# Altium PCB 3D-CPU-board-multi.PcbDoc (part 3 of 3)
Units mm, origin at the board's own origin, x right, y up, seen from the top; angles counter-clockwise.
Board outline 100 x 66.22 mm, 6 copper layers (L1, Power, L2, L3, CommonGND, L4), stack 2.134 mm thick; 307 components, 215 nets, 1001 pads, 419 vias.
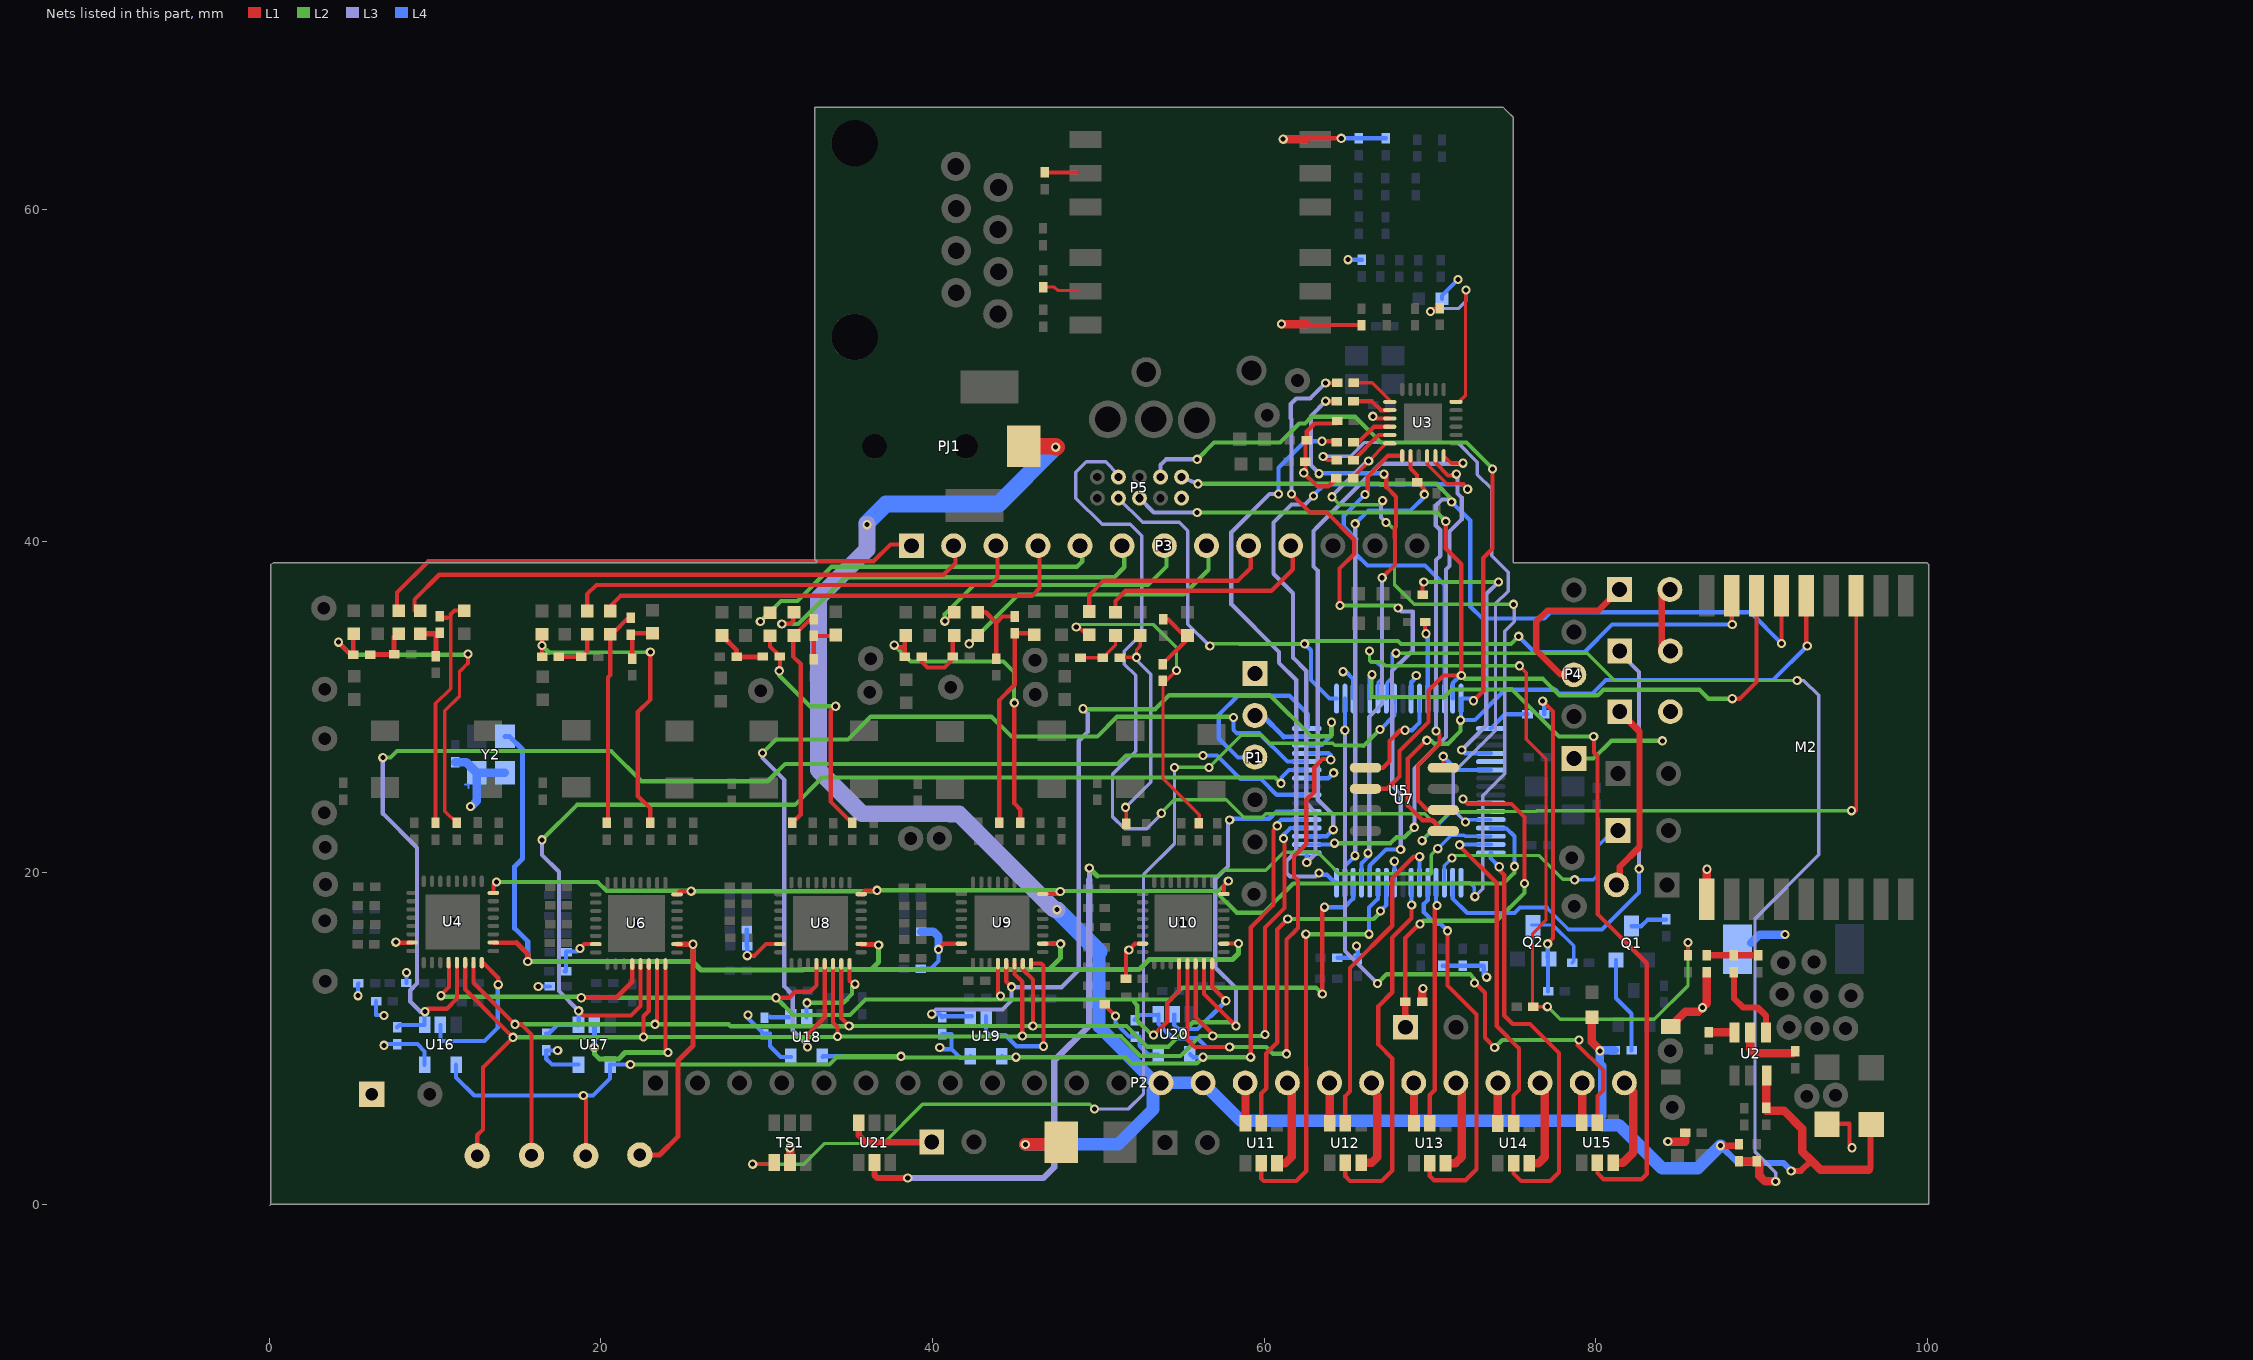
[diagram p7: the nets of this part, all layers, seen from the top]

## Via types
v1: diameter 0.559, hole 0.305, L1 to L4, 395 vias
v2: diameter 0.813, hole 0.508, L1 to L4, tented top, 19 vias
v3: diameter 0.559, hole 0.305, L1 to L4, tented top, 4 vias
v4: diameter 0.813, hole 0.457, L1 to L4, tented top, 1 vias

## Nets (pads, with @x,y where several pads share a name; then routed paths per layer and width w, separated by ;. In a path a pad name is that pad's centre, name@x,y a point inside that pad or via, vN(x,y) a via of type N, cw(c..) or ccw(c..) an arc to the next point about the centre after c; other vN are vias at no path point) (continued)
NetJ3_1: J3.1 U5.51 | length 14.6
  L2 w0.203: v1(71.323,20.904) 71.471,21.052 76.561,21.052 78.003,19.609 78.689,19.609 v1(78.715,19.583)
  L4 w0.203: U5.51@70.86,19.409 70.86,20.441 v1(71.323,20.904) ; v1(78.715,19.583) 79.832,19.583 80.137,19.888 80.137,21.641 81.051,22.555 J3.1@81.331,22.555
NetJ4_1: J4.1 P4.3 | length 10.4
  L1 w0.381: P4.3@78.664,31.979 77.851,31.979 76.403,33.426 76.403,35.154 77.064,35.814 80.137,35.814 J4.1@81.407,37.084
NetJ4_2: J4.2 J5.2 | length 3.7
  L1 w0.381: J4.2@83.947,37.084 83.972,37.059 J5.2@83.972,33.376
NetJ5_1: J5.1 U5.50 | length 29.2
  L3 w0.203: J5.1@81.432,33.274 J5.1@81.432,33.376
  L3 w0.254: J5.1@81.432,33.274 82.601,32.106 v1(82.601,20.244)
  L4 w0.203: 77.038,17.907 78.359,16.586
  L4 w0.254: U5.50@71.36,19.409 71.36,18.454 72.238,17.577 75.082,17.577 75.413,17.907 77.038,17.907 ; 78.359,16.586 80.366,16.586 82.601,18.821 v1(82.601,20.244)
NetJ6_1: J6.1 J7.2 | length 11.5
  L1 w0.381: J7.2@81.432,19.228 81.432,20.371 82.626,21.565 82.626,28.524 J6.1@81.432,29.718
NetL4_1: L4.1 P3.1 | length 33.4
  L1 w0.254: L4.1@7.722,35.814 7.722,36.906 9.601,38.786 36.449,38.786 37.465,39.802 P3.1@38.837,39.802
NetL4_2: L4.2 R40.2 R41.2 | length 2.8
  L1 w0.305: R41.2@6.096,33.147 6.121,33.172 R40.2@7.544,33.172 7.544,34.239 L4.2@7.722,34.417
NetL5_2: L5.2 R41.1 R42.2 | length 21.7
  L1 w0.203: R42.2@11.303,23.016 10.592,23.727 10.592,29.769 11.481,30.658 11.481,32.131 11.989,32.639
  L1 w0.254: v1(4.191,33.909) 4.953,33.147 R41.1@5.08,33.147 5.08,34.392 L5.2@5.105,34.417 ; 11.989,32.639 v1(11.989,33.198)
  L2 w0.254: v1(4.191,33.909) 4.953,33.147 11.938,33.147 v1(11.989,33.198)
NetL7_1: L7.1 P3.2 | length 35.2
  L1 w0.254: L7.1@8.763,35.814 8.763,36.474 10.262,37.973 40.665,37.973 41.377,38.684 P3.2@41.377,39.726
NetL7_2: L7.2 R47.2 R49.2 | length 2.3
  L1 w0.305: L7.2@9.119,34.417 10.058,34.417 R47.2@10.058,33.071
NetL8_2: L8.2 R49.1 R50.2 | length 14.2
  L1 w0.203: 10.033,30.201 10.947,31.115 10.947,35.585
  L1 w0.254: R50.2@10.033,23.016 10.033,30.201 ; R49.1@10.287,35.382 10.744,35.382 ; 10.947,35.585 11.176,35.814 L8.2@11.659,35.814
NetL10_1: L10.1 P3.3 | length 28.1
  L1 w0.254: L10.1@19.177,35.789 19.177,36.805 19.736,37.363 43.485,37.363 43.917,37.795 P3.3@43.917,39.726
NetL10_2: L10.2 R55.2 R57.2 | length 2.9
  L1 w0.254: R57.2@17.475,33.02 R55.2@18.821,33.02 19.177,33.376 L10.2@19.177,34.392
NetL11_2: L11.2 R57.1 R58.2 | length 19
  L1 w0.254: R57.1@16.459,33.02 v1(16.459,33.706) L11.2@16.459,34.392 ; R58.2@22.987,23.063 22.987,23.876 22.225,24.638 22.225,29.693 22.987,30.455 v1(22.987,33.325)
  L2 w0.254: v1(16.459,33.706) 16.891,33.274 v1(22.987,33.325)
NetL13_1: L13.1 P3.4 | length 29.2
  L1 w0.254: L13.1@20.574,35.789 20.574,36.093 21.184,36.703 45.999,36.703 46.457,37.16 P3.4@46.457,39.726
NetL13_2: L13.2 R63.2 R64.2 | length 13.3
  L1 w0.254: R63.2@20.371,23.012 20.442,23.084 20.442,31.796 20.574,31.928 L13.2@20.574,34.392 20.673,34.392 21.74,35.458 R64.2@21.946,35.458
NetL14_2: L14.2 R64.1 R66.2 | length 2.7
  L1 w0.254: R66.2@21.895,32.918 21.895,34.392 21.946,34.442 23.038,34.442 L14.2@23.089,34.493
Netl16_1: L16.1 P3.5 | length 22.7
  L1 w0.254: v1(29.616,35.154) 29.667,35.154 L16.1@30.201,35.687
  L2 w0.254: v1(29.616,35.154) 30.861,36.398 31.852,36.398 33.909,38.456 48.717,38.456 49.022,38.76 P3.5@49.022,39.726
NetL16_2: L16.2 R74.2 R75.2 | length 14.5
  L1 w0.254: L16.2@30.201,34.29 30.201,33.655 30.797,33.058 30.797,32.22 v1(30.759,32.182) ; v1(34.163,30.048) 33.858,29.743 33.858,24.308 R74.2@35.154,23.012
  L2 w0.254: v1(30.759,32.182) 30.759,31.902 32.614,30.048 v1(34.163,30.048)
NetL17_2: L17.2 R75.1 R77.2 | length 3.2
  L1 w0.305: L17.2@27.305,34.315 28.194,33.426 R77.2@28.194,33.02 R75.1@29.769,33.02
NetL19_1: L19.1 P3.6 | length 24.7
  L1 w0.254: v1(30.912,35.001) 30.932,35.022 31.44,35.022 31.598,35.179 L19.1@31.598,35.712
  L2 w0.254: v1(30.912,35.001) 31.902,35.001 34.722,37.821 50.952,37.821 51.562,38.43 P3.6@51.562,39.726
NetL19_2: L19.2 R80.2 R82.2 | length 13.2
  L1 w0.254: R80.2@31.547,23.012 32.055,23.52 32.055,32.588 31.598,33.045 31.598,34.315 L19.2@31.646,34.315 R82.2@32.636,35.306
NetL20_2: L20.2 R82.1 R83.2 | length 2.7
  L1 w0.254: R83.2@32.842,32.868 R82.1@32.842,34.29 L20.2@34.112,34.29
NetL22_1: L22.1 P3.7 | length 17
  L1 w0.254: v1(40.742,35.179) 40.742,35.154 L22.1@41.3,35.712
  L2 w0.254: v1(40.742,35.179) 40.742,35.611 42.494,37.363 52.984,37.363 54.102,38.481 P3.7@54.102,39.726
NetL22_2: L22.2 R87.2 R88.2 | length 4
  L1 w0.254: R88.2@39.345,33.02 39.345,32.741 39.7,32.385 40.716,32.385 41.224,32.893 R87.2@41.224,33.045 41.224,34.239 L22.2@41.3,34.315
NetL23_2: L23.2 R88.1 R89.2 | length 19.1
  L1 w0.254: v1(37.694,33.731) 37.694,33.706 37.795,33.604 38.329,33.604 ; R88.1@38.329,33.02 38.329,33.604 ; L23.2@38.329,34.265 38.329,33.604 ; v1(44.933,30.251) 44.933,24.181 45.288,23.825 R89.2@45.288,23.012
  L2 w0.254: v1(37.694,33.731) 38.684,32.741 44.272,32.741 44.907,32.106 44.907,30.277 v1(44.933,30.251)
NetL25_1: L25.1 P3.8 | length 18.4
  L1 w0.254: v1(42.215,33.807) L25.1@42.723,34.315
  L2 w0.254: v1(42.215,33.807) 45.187,36.779 55.143,36.779 56.642,38.278 P3.8@56.642,39.726
NetL25_2: L25.2 R92.2 R94.2 | length 4.8
  L1 w0.254: L25.2@42.723,35.712 43.205,35.712 43.84,35.077 ; R92.2@43.84,32.918 43.84,35.077 ; R94.2@44.958,35.458 44.221,35.458 43.84,35.077
NetL26_2: L26.2 R94.1 R95.2 | length 13
  L1 w0.254: R95.2@44.018,23.012 44.018,30.404 44.958,31.344 R94.1@44.958,34.442 46.05,34.442 L26.2@46.126,34.366
NetL28_1: L28.1 P3.9 | length 12.7
  L1 w0.254: L28.1@49.454,35.763 49.454,36.754 50.317,37.617 58.42,37.617 59.182,38.379 P3.9@59.182,39.726
NetL28_2: L28.2 R101.2 R103.2 | length 19.9
  L1 w0.203: v1(48.666,34.823) 48.666,34.976 49.276,34.366 L28.2@49.454,34.366 ; R103.2@53.873,31.572 54.077,31.572 v1(54.712,32.207) ; R103.2@53.899,31.547 53.899,25.679 56.083,23.495 56.083,23.012 R101.2@56.058,22.987
  L2 w0.203: v1(48.666,34.823) 48.666,34.976 53.315,34.976 54.712,33.579 v1(54.712,32.207)
NetL29_2: L29.2 R103.1 R104.2 | length 4.2
  L1 w0.254: R103.1@53.873,32.588 55.372,34.087 L29.2@55.372,34.315 55.169,34.315 54.178,35.306 R104.2@53.899,35.306
NetL31_1: L31.1 P3.10 | length 13.6
  L1 w0.254: L31.1@51.029,35.712 51.029,36.398 51.638,37.008 60.427,37.008 61.722,38.303 P3.10@61.722,39.726
NetL31_2: L31.2 R109.2 R110.2 | length 3
  L1 w0.203: R109.2@48.92,32.969 R110.2@50.267,32.969 51.029,33.731 L31.2@51.029,34.315
NetL32_2: L32.2 R110.1 R111.2 | length 13.5
  L1 w0.203: R110.1@51.308,32.995 v1(52.299,32.995) 52.299,33.452 52.527,33.68 L32.2@52.527,34.315 ; v1(51.638,23.952) 51.689,23.901 R111.2@51.689,22.962
  L3 w0.203: v1(51.638,23.952) 53.162,25.476 53.162,31.979 52.222,32.918 v1(52.299,32.995)
NetM2_3: M2.3 P5.4 U5.43 | length 94.3
  L1 w0.203: v1(95.402,23.749) 95.682,23.749 M2.3@95.682,36.715
  L2 w0.203: v1(53.797,23.597) 53.797,23.622 54.585,24.409 57.709,24.409 58.759,23.36 59.871,23.36 60.082,23.571 69.672,23.571 70.32,22.924 70.447,22.924 ; v1(69.52,21.946) 69.52,21.996 70.447,22.924 ; v1(95.402,23.749) 76.429,23.749 76.378,23.698 71.222,23.698 70.447,22.924
  L3 w0.203: P5.4@51.206,43.866 51.206,44.018 50.439,44.785 49.281,44.785 48.641,44.145 48.641,42.596 50.221,41.016 51.923,41.016 52.612,40.327 52.612,34.425 51.562,33.376 51.562,32.588 52.248,31.902 52.248,27.33 50.851,25.933 50.851,23.393 51.587,22.657 52.908,22.657 53.848,23.597 v1(53.797,23.597)
  L4 w0.203: v1(69.52,21.946) 71.233,23.659 73.61,23.659 U5.43@73.66,23.709
NetM2_5: M2.5 P5.8 U5.32 U7.5 | length 76.1
  L1 w0.254: v1(69.799,27.991) 69.748,27.991 68.656,26.899 68.656,24.054 69.535,23.175 70.158,23.175 U7.5@70.803,22.53 ; v1(72.619,30.378) 73.203,30.963 73.203,38.989 73.762,39.548 v1(73.762,44.348) ; v1@92.682,33.68 M2.5@92.682,36.715
  L2 w0.254: v1(55.956,44.933) 56.972,45.949 60.96,45.949 62.108,47.097 62.455,47.097 62.856,47.498 65.481,47.498 67.031,45.949 68.712,45.949 68.716,45.944 69.217,45.944 69.221,45.949 69.912,45.949 69.916,45.944 70.417,45.944 70.421,45.949 72.187,45.949 v1@73.762,44.374 ; v1(69.799,27.991) 70.062,27.991 70.265,27.788 71.069,27.788 71.831,28.55 v1(71.831,29.21)
  L3 w0.254: P5.8@53.746,43.866 53.746,44.602 54.077,44.933 v1(55.956,44.933)
  L4 w0.254: v1(72.619,30.378) 72.488,30.509 U5.32@71.86,30.509 71.86,29.239 v1(71.831,29.21) 72.695,29.21 74.524,31.039 77.546,31.039 77.775,30.81 79.781,30.81 80.594,31.623 90.678,31.623 v1(92.735,33.68)
NetM2_6: M2.6 P5.10 U5.29 U7.6 | length 70.1
  L1 w0.254: v1(70.358,28.55) 70.561,28.346 70.561,27.762 69.266,26.467 69.266,24.359 69.825,23.8 U7.6@70.803,23.8 ; v1@91.182,33.833 M2.6@91.182,36.715
  L2 w0.254: v1(56.007,43.459) 66.938,43.459 66.962,43.435 67.463,43.435 67.487,43.459 70.383,43.459 71.298,42.545 v1(71.298,42.367)
  L3 w0.254: P5.10@55.016,43.866 v1(56.007,43.459) ; v1(70.358,28.55) 70.358,38.862 70.612,39.116 70.612,40.674 70.338,40.948 70.338,42.144 70.714,42.52 71.145,42.52 v1(71.298,42.367)
  L4 w0.254: v1@70.36,28.577 U5.29@70.36,30.509 ; v1(71.298,42.367) 72.415,41.25 72.415,36.068 73.152,35.331 76.886,35.331 77.267,35.712 89.306,35.712 v1(91.186,33.833)
NetM2_7: M2.7 P5.5 U5.31 U7.2 | length 65.3
  L1 w0.254: U7.2@66.103,25.07 67.412,25.07 68.148,25.806 68.148,27.342 69.901,29.095 69.901,30.988 70.815,31.902 v1(71.882,31.902) 71.882,38.608 70.942,39.548 v1(70.942,41.199) ; v1(88.214,30.505) 88.671,30.505 89.682,31.516 M2.7@89.682,36.715
  L2 w0.254: v1(55.956,41.732) 70.409,41.732 v1(70.942,41.199) ; v1(71.882,31.902) 72.085,31.699 76.81,31.699 77.8,30.709 80.112,30.709 80.442,31.039 86.233,31.039 86.766,30.505 v1(88.214,30.505)
  L3 w0.254: P5.5@52.476,42.596 53.34,41.732 v1(55.956,41.732)
  L4 w0.254: U5.31@71.36,30.509 71.36,31.431 71.831,31.902 v1(71.882,31.902)
NetM2_8: M2.8 P5.3 U5.17 | length 51.1
  L1 w0.254: M2.8@88.182,36.195 88.182,34.976 v1(88.214,34.976)
  L2 w0.203: v1(56.718,33.68) 56.845,33.807 58.496,33.807
  L2 w0.254: 58.496,33.807 v1(62.433,33.807) 62.606,33.98 68.068,33.98 68.241,33.807 74.879,33.807 v1(75.336,34.265)
  L3 w0.203: P5.3@51.206,42.596 52.667,41.135 54.877,41.135 55.397,40.615 55.397,35.001 v1(56.718,33.68)
  L4 w0.254: v1(62.433,33.807) 62.814,33.426 62.814,31.623 63.928,30.509 U5.17@64.36,30.509 ; v1(75.336,34.265) 76.302,33.299 79.299,33.299 80.975,34.976 v1(88.214,34.976)
NetP1_2: P1.2 U5.15 | length 3.7
  L4 w0.254: 61.174,28.209 U5.15@62.56,28.209
  L4 w0.305: P1.2@59.436,29.489 59.893,29.489 61.174,28.209
NetP1_3: P1.3 U5.16 | length 11.2
  L4 w0.254: P1.3@59.436,26.949 58.42,26.949 57.252,28.118 57.252,29.515 58.42,30.683 61.519,30.683 62.636,29.566 U5.16@62.636,28.785
NetP2_15: P2.15 U11.6 | length 2.4
  L1 w0.508: U11.6@58.867,4.902 P2.15@58.867,7.325
NetP2_16: P2.16 U11.3 | length 5.5
  L1 w0.305: P2.16@61.443,6.934 P2.16@61.443,7.29
  L1 w0.508: U11.3@60.767,2.502 61.278,2.502 61.646,2.87 61.646,6.731 P2.16@61.443,6.934
NetP2_17: P2.17 U12.6 | length 2.4
  L1 w0.508: U12.6@63.937,4.915 P2.17@63.937,7.336
NetP2_18: P2.18 U12.3 | length 5.7
  L1 w0.508: U12.3@65.837,2.515 66.472,2.515 66.802,2.845 66.802,6.604 66.472,6.934 P2.18@66.472,7.341
NetP2_19: P2.19 U13.6 | length 2.4
  L1 w0.381: P2.19@69.012,7.341 P2.19@69.027,7.325
  L1 w0.508: U13.6@69.027,4.902 P2.19@69.027,7.325
NetP2_20: P2.20 U13.3 | length 5.8
  L1 w0.508: U13.3@70.927,2.502 71.539,2.502 71.907,2.87 71.907,6.985 P2.20@71.552,7.341
NetP2_21: P2.21 U14.6 | length 2.5
  L1 w0.381: P2.21@74.082,7.33 P2.21@74.092,7.341
  L1 w0.508: U14.6@74.082,4.889 P2.21@74.082,7.33
NetP2_22: P2.22 U14.3 | length 5.7
  L1 w0.508: U14.3@75.982,2.489 76.53,2.489 76.911,2.87 76.911,7.061 P2.22@76.632,7.341
NetP2_23: P2.23 U15.6 | length 2.4
  L1 w0.508: U15.6@79.136,4.928 79.172,4.963 P2.23@79.172,7.341
NetP2_24: P2.24 U15.3 | length 5.9
  L1 w0.508: U15.3@81.036,2.528 81.623,2.528 82.245,3.15 82.245,6.807 P2.24@81.712,7.341
NetP3_10: 
NetP5_1: P5.1@39.954,3.785 U21.6 | length 5.4
  L1 w0.381: U21.6@35.55,4.94 35.55,4.176 35.966,3.759 39.929,3.759 P5.1@39.954,3.785
NetP6_1: P6.1 R121.2 U5.42 | length 24.6
  L1 w0.254: R121.2@68.504,12.243 68.504,16.07 69.193,16.759 69.235,16.759 v1(69.393,16.916) ; v1(71.984,24.46) 72.009,24.46 72.187,24.282 72.187,24.232 72.263,24.155 74.905,24.155 75.692,23.368 v1(75.692,19.355)
  L1 w0.381: R121.2@68.504,12.243 68.504,11.43 68.885,11.049 P6.1@68.885,10.516
  L2 w0.254: v1(69.393,16.916) 69.591,17.115 74.012,17.115 75.692,18.795 v1(75.692,19.355)
  L4 w0.254: v1(71.984,24.46) 72.009,24.46 72.26,24.209 U5.42@73.66,24.209
NetQ1_C: Q1.C R10.2 | length 2.3
  L4 w0.254: Q1.C@82.144,16.789 82.728,16.789 83.109,17.17 84.201,17.17 R10.2@84.226,17.196
NetQ1_E: Q1.E R4.1 | length 5.9
  L4 w0.254: Q1.E@81.204,14.757 81.204,12.446 82.144,11.506 R4.1@82.144,9.296
NetQ2_B: Q2.B R13.1 R16.2 | length 18.7
  L1 w0.254: v1(76.784,30.353) 77.409,29.728 77.409,16.068 77.089,15.748 v1(77.089,15.723)
  L4 w0.254: v1(76.784,30.353) 76.886,30.251 R13.1@76.886,29.566 ; Q2.B@77.089,14.864 v1(77.089,15.723) ; R16.2@77.114,12.852 Q2.B@77.114,14.829
NetQ2_C: Q2.C R9.1 | length 4.1
  L4 w0.203: Q2.C@76.134,16.859 77.4,16.859 78.664,15.596 78.664,14.681 R9.1@78.562,14.58
NetR3_1: R3.1 R7.2 U5.23 | length 64.2
  L1 w0.508: R3.1@88.621,2.616 R7.2@89.687,2.616 89.84,2.464 89.84,1.753 90.195,1.397 v1(90.83,1.397)
  L2 w0.203: v1(67.945,33.249) 79.477,33.249 81.128,31.598 v1(92.126,31.598)
  L3 w0.203: v1(90.83,1.397) 90.83,1.905 90.843,1.918 89.586,3.175 89.586,17.247 93.421,21.082 93.421,30.709 92.532,31.598 v1(92.126,31.598)
  L4 w0.203: U5.23@67.36,30.509 67.41,30.559 67.41,31.48 67.721,31.791 67.721,33.249 v1(67.945,33.249)
NetR12_1: R12.1 R15.2 U5.22 | length 49.1
  L1 w0.203: v1(75.387,32.487) 75.794,32.08 75.794,28.067 76.982,26.878 76.982,17.14 76.175,16.332 76.175,11.989 R15.2@76.225,11.938 76.835,11.938 76.835,11.963 76.86,11.938 v1(77.064,11.938) ; R12.1@85.547,15.037 v1(85.547,15.799)
  L2 w0.203: v1(66.345,33.376) 66.345,32.817 66.421,32.741 67.056,32.741 67.31,32.487 v1(75.387,32.487) ; v1(77.064,11.938) 76.86,11.938 76.835,11.963 77.064,11.963 77.851,11.176 83.515,11.176 85.547,13.208 v1(85.547,15.799)
  L4 w0.203: v1(66.345,33.376) 66.345,32.817 66.421,32.741 66.726,32.741 67.107,32.36 67.107,31.744 66.86,31.497 U5.22@66.86,30.509
NetR13_2: R13.2 U5.33 | length 2.6
  L4 w0.254: U5.33@73.66,28.709 74.517,29.566 R13.2@75.87,29.566
NetR14_2: R14.2 U2.6 | length 1.6
  L1 w0.508: R14.2@86.792,10.389 U2.6@88.346,10.389
NetR17_1: R17.1 U2.5 | length 3.9
  L1 w0.508: U2.5@89.296,10.389 89.296,9.408 89.586,9.119 91.897,9.119 R17.1@92.024,9.246
NetR18_1: R18.1 R19.2 R21.2 | length 3.1
  L1 w0.381: R19.2@86.69,15.037 R18.1@88.316,15.037 R21.2@89.789,15.037
NetR18_2: R18.2 U2.4 | length 4.9
  L1 w0.381: R18.2@88.316,14.021 88.316,12.446 88.875,11.887 89.738,11.887 90.246,11.379 U2.4@90.246,10.389
NetR22_1: R22.1 U3.12 U5.49 | length 43.9
  L1 w0.203: R22.1@65.354,43.79 65.354,43.861 66.294,44.801 v1(66.294,44.831) 67.362,45.899 U3.12@67.567,45.899 ; v1(67.132,42.443) 67.285,42.443 67.335,42.494 67.361,42.469 v1@67.361,42.443
  L2 w0.203: v1(64.084,42.672) 64.592,42.164 64.592,42.189 67.031,42.189 67.285,42.443 v1(67.132,42.443) ; v1(67.335,41.123) v1@67.335,41.193 ; v1@67.335,41.305 v1@67.335,41.193 ; v1(75.032,36.195) 69.037,36.195 67.852,37.38 67.852,40.677 v1@67.335,41.193
  L3 w0.203: v1(64.084,42.672) v1@64.084,42.723 ; v1@66.142,44.78 66.243,44.78 v1(66.294,44.831) ; v1@67.031,42.443 v1@67.285,42.443 ; v1(72.695,18.567) 73.177,19.05 73.177,24.663 74.498,25.984 74.498,34.571 75.082,35.155 75.082,36.144 v1(75.032,36.195)
  L3 w0.254: v1@64.084,42.723 v1@66.142,44.78 ; v1@67.031,42.443 67.031,41.427 v1(67.335,41.123)
  L4 w0.203: U5.49@71.86,19.409 72.387,19.409 72.669,19.126 v1@72.669,18.593
NetR28_2: R28.2 | length 2.1
  L1 w0.203: R28.2@46.685,55.321 47.346,55.321 47.551,55.116 48.717,55.116
NetR29_1: R29.1 U3.8 | length 2.4
  L1 w0.254: R29.1@65.38,48.438 66.396,48.438 66.404,48.43 66.497,48.43 67.027,47.899 U3.8@67.567,47.899
NetR29_2: R29.2 U5.61 | length 35.9
  L1 w0.254: v1(63.703,48.438) R29.2@64.364,48.438 ; v1(67.107,37.795) 67.877,38.566 67.877,40.171 67.869,40.179 67.869,40.801 67.94,40.872 67.94,42.677 67.361,43.256 67.361,44.094 67.306,44.04 v1(67.212,44.04)
  L3 w0.254: v1@63.297,44.094 62.814,44.577 62.814,47.549 v1(63.703,48.438) ; v1(66.257,21.189) 66.324,21.189 66.324,29.393 67.107,30.175 v1(67.107,37.795)
  L4 w0.254: v1(63.297,44.069) 63.322,44.094 67.361,44.094 67.306,44.04 v1(67.212,44.04) ; U5.61@65.86,19.409 65.86,20.576 66.319,21.036 66.319,21.209 66.277,21.209 v1(66.257,21.189)
NetR30_1: R30.1 U3.7 | length 2.7
  L1 w0.203: R30.1@65.405,49.555 66.497,49.555 67.567,48.486 U3.7@67.567,48.399
NetR30_2: R30.2 U5.60 | length 41.1
  L1 w0.254: v1(61.646,42.85) 62.768,41.727 63.781,41.727 65.423,40.085 65.423,39.236 64.541,38.354 64.541,36.195 64.618,36.119 v1(64.567,36.119) ; v1(63.703,49.53) 64.364,49.53 R30.2@64.389,49.555
  L2 w0.254: v1(64.567,36.119) 67.894,36.119 68.072,35.941 v1(68.072,35.966)
  L3 w0.254: v1(61.646,42.85) 61.646,47.359 61.6,47.405 61.6,48.265 61.93,48.595 62.768,48.595 v1(63.703,49.53) ; v1(68.072,35.966) 68.275,35.763 68.956,35.763 68.956,33.274 68.825,33.274 68.195,32.644 68.167,32.644 67.696,32.173 67.696,30.119 67.716,30.099 67.716,25.273 68.224,24.765 v1(68.224,21.412)
  L4 w0.254: U5.60@66.36,19.409 66.36,20.437 67.335,21.412 v1(68.224,21.412)
NetR31_1: R31.1 U3.11 | length 2.8
  L1 w0.254: R31.1@65.38,44.882 66.897,46.399 U3.11@67.567,46.399
NetR31_2: R31.2 U5.44 | length 36.4
  L1 w0.203: 63.779,44.882 R31.2@64.364,44.882
  L3 w0.203: v1(63.551,45.11) 65.202,45.11 66.04,45.949 71.653,45.949 72.847,44.755 72.847,44.018 73.711,43.155 73.711,39.116 74.701,38.125 74.701,36.982 73.939,36.22 73.939,28.575 71.404,26.04 71.404,23.795 v1(72.136,23.063)
  L4 w0.203: v1(72.136,23.063) 72.282,23.209 U5.44@73.66,23.209
NetR32_1: R32.1 U3.10 | length 2.6
  L1 w0.254: R32.1@65.38,45.974 65.684,45.974 66.609,46.899 U3.10@67.567,46.899
NetR32_2: R32.2 U5.64 | length 35.3
  L1 w0.254: v1(63.475,46.025) R32.2@64.313,46.025
  L3 w0.254: v1(60.858,42.85) 60.325,42.85 58.014,40.538 58.014,36.195 60.884,33.325 60.884,32.664 61.925,31.623 61.925,21.311 61.341,20.726 61.341,19.99 61.544,19.787 63.094,19.787 v1(63.297,19.99)
  L4 w0.254: v1(60.858,42.85) 60.858,44.425 62.459,46.025 v1(63.475,46.025) ; v1(63.297,19.99) 63.297,19.964 63.373,19.888 63.779,19.888 64.259,19.409 U5.64@64.36,19.409
NetR33_2: R33.2 | length 2.3
  L1 w0.254: R33.2@46.763,62.228 48.03,62.228 ; 48.362,62.228 48.03,62.228 ; 48.717,62.228 48.03,62.228
NetR35_2: R35.1 U3.14 U5.63 | length 29.7
  L1 w0.254: U3.14@68.817,45.149 68.817,44.391 69.215,43.993 R35.1@69.215,43.561 69.652,43.124 v1(69.652,42.822)
  L3 w0.254: v1(65.471,21.042) 65.481,21.052 v1(65.481,41.046) v1@65.481,41.199
  L4 w0.254: U5.63@64.86,19.409 64.86,20.41 65.471,21.021 v1(65.471,21.042) ; v1(65.481,41.046) 66.274,41.839 68.814,41.839 69.672,42.697 69.672,42.801 v1(69.652,42.822)
NetR37_2: R37.2 U3.24 | length 11
  L1 w0.203: v1(70.028,53.848) 70.231,54.051 R37.2@70.587,54.051 ; U3.24@71.567,48.399 71.742,48.399 72.136,48.793 72.136,55.114 v1(72.166,55.145)
  L3 w0.203: v1(70.028,53.848) 69.926,53.95 70.002,54.026 71.704,54.026 72.166,54.488 v1(72.166,55.145)
NetR67_1: R67.1 U5.36 | length 18.2
  L1 w0.254: R67.1@69.545,36.779 69.545,37.465 v1(69.621,37.541)
  L2 w0.254: v1(69.621,37.541) v1(74.117,37.541)
  L3 w0.254: v1(71.907,27.407) 72.39,27.889 73.381,28.88 73.381,36.805 v1(74.117,37.541)
  L4 w0.254: v1(71.907,27.407) 72.105,27.209 U5.36@73.66,27.209
NetR68_1: R68.1 U5.28 | length 4.6
  L1 w0.254: v1@69.698,34.468 R68.1@69.698,35.128
  L4 w0.254: v1(69.748,34.417) 69.86,34.305 U5.28@69.86,30.509
NetR113_2: R113.2 U4.29 U5.8 U16.1 | length 82.1
  L1 w0.254: v1(9.398,11.633) 9.576,11.811 10.719,11.811 11.324,12.417 U4.29@11.324,14.593
  L2 w0.254: v1(6.858,26.949) 7.315,26.949 7.722,27.356 20.625,27.356 22.454,25.527 30.069,25.527 31.115,26.573 51.156,26.573 51.659,27.076 v1(56.312,27.076)
  L3 w0.254: v1(6.858,26.949) 6.858,23.571 8.915,21.514 8.915,13.335 8.509,12.929 8.509,12.243 9.119,11.633 v1(9.398,11.633)
  L4 w0.254: R113.2@7.722,10.693 7.861,10.833 U16.1@9.378,10.833 9.378,11.613 v1(9.398,11.633) ; v1(56.312,27.076) 57.15,27.076 58.572,25.654 59.802,25.654 60.747,24.709 U5.8@62.56,24.709